# Altium PCB Jetson AGX Xavier Carrier Board.PcbDoc (part 1 of 4) (continued)
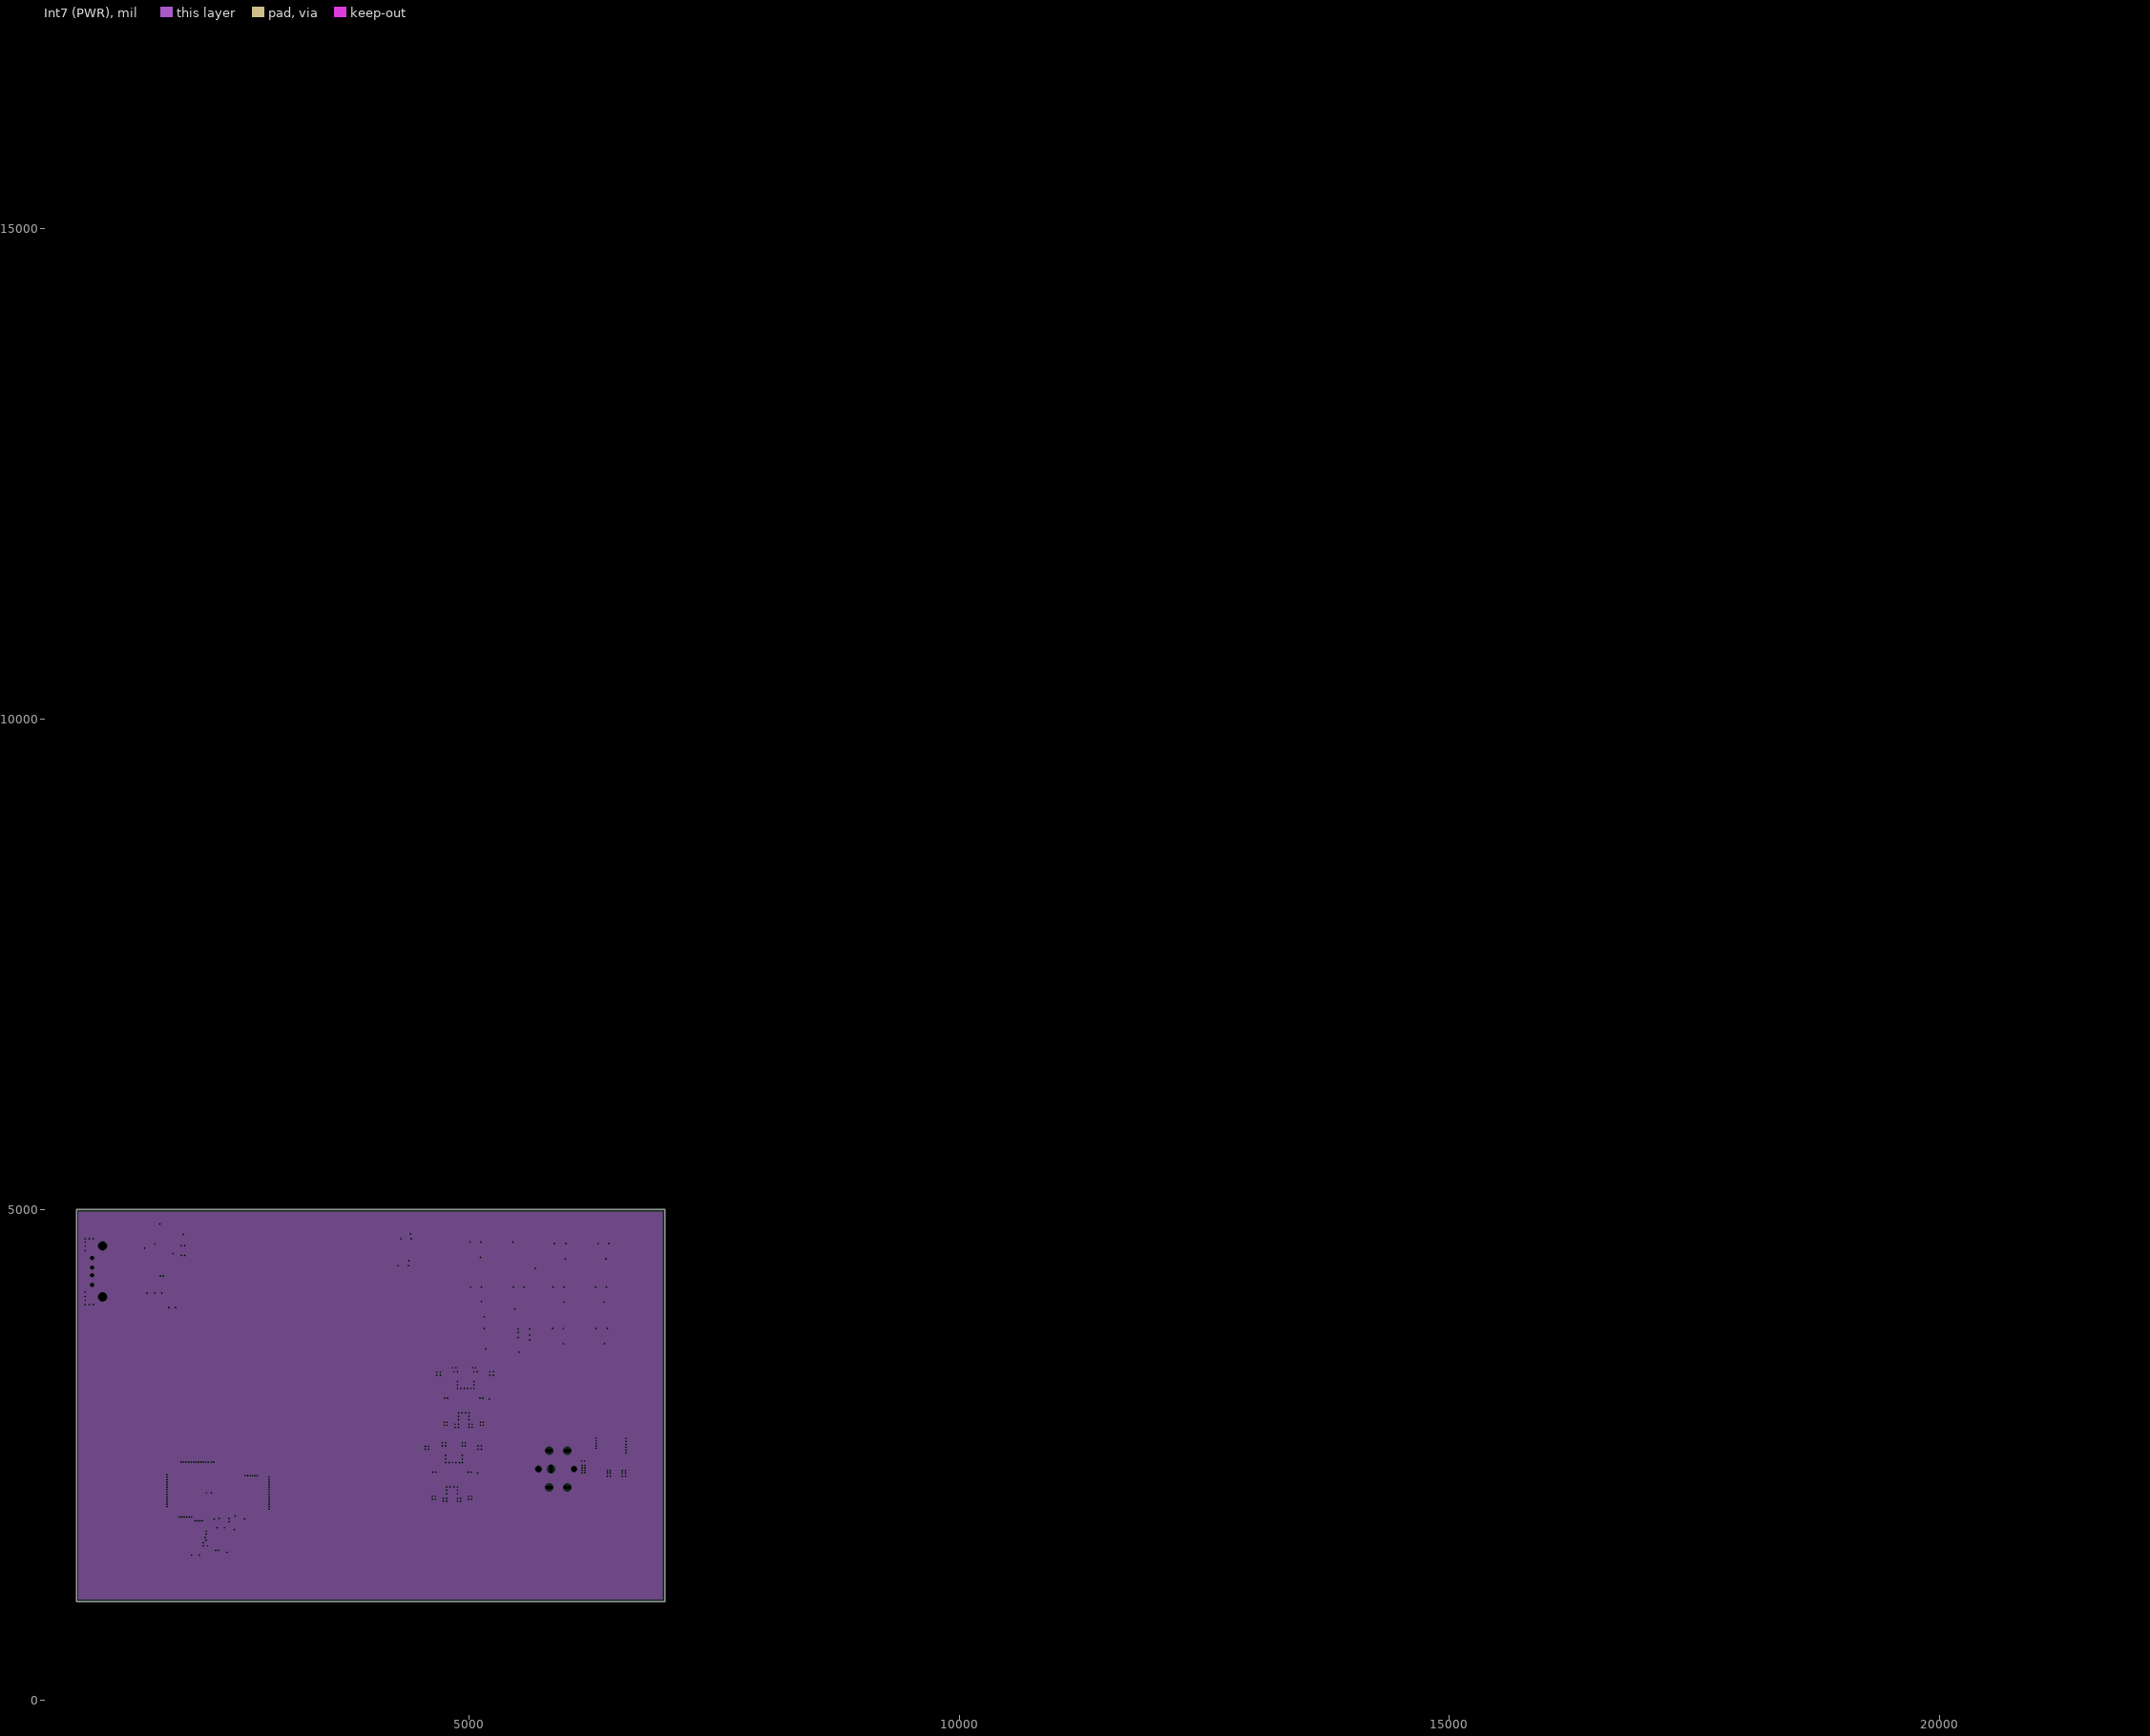
[diagram p8: Int7 (PWR), clearances drawn from the general rule]
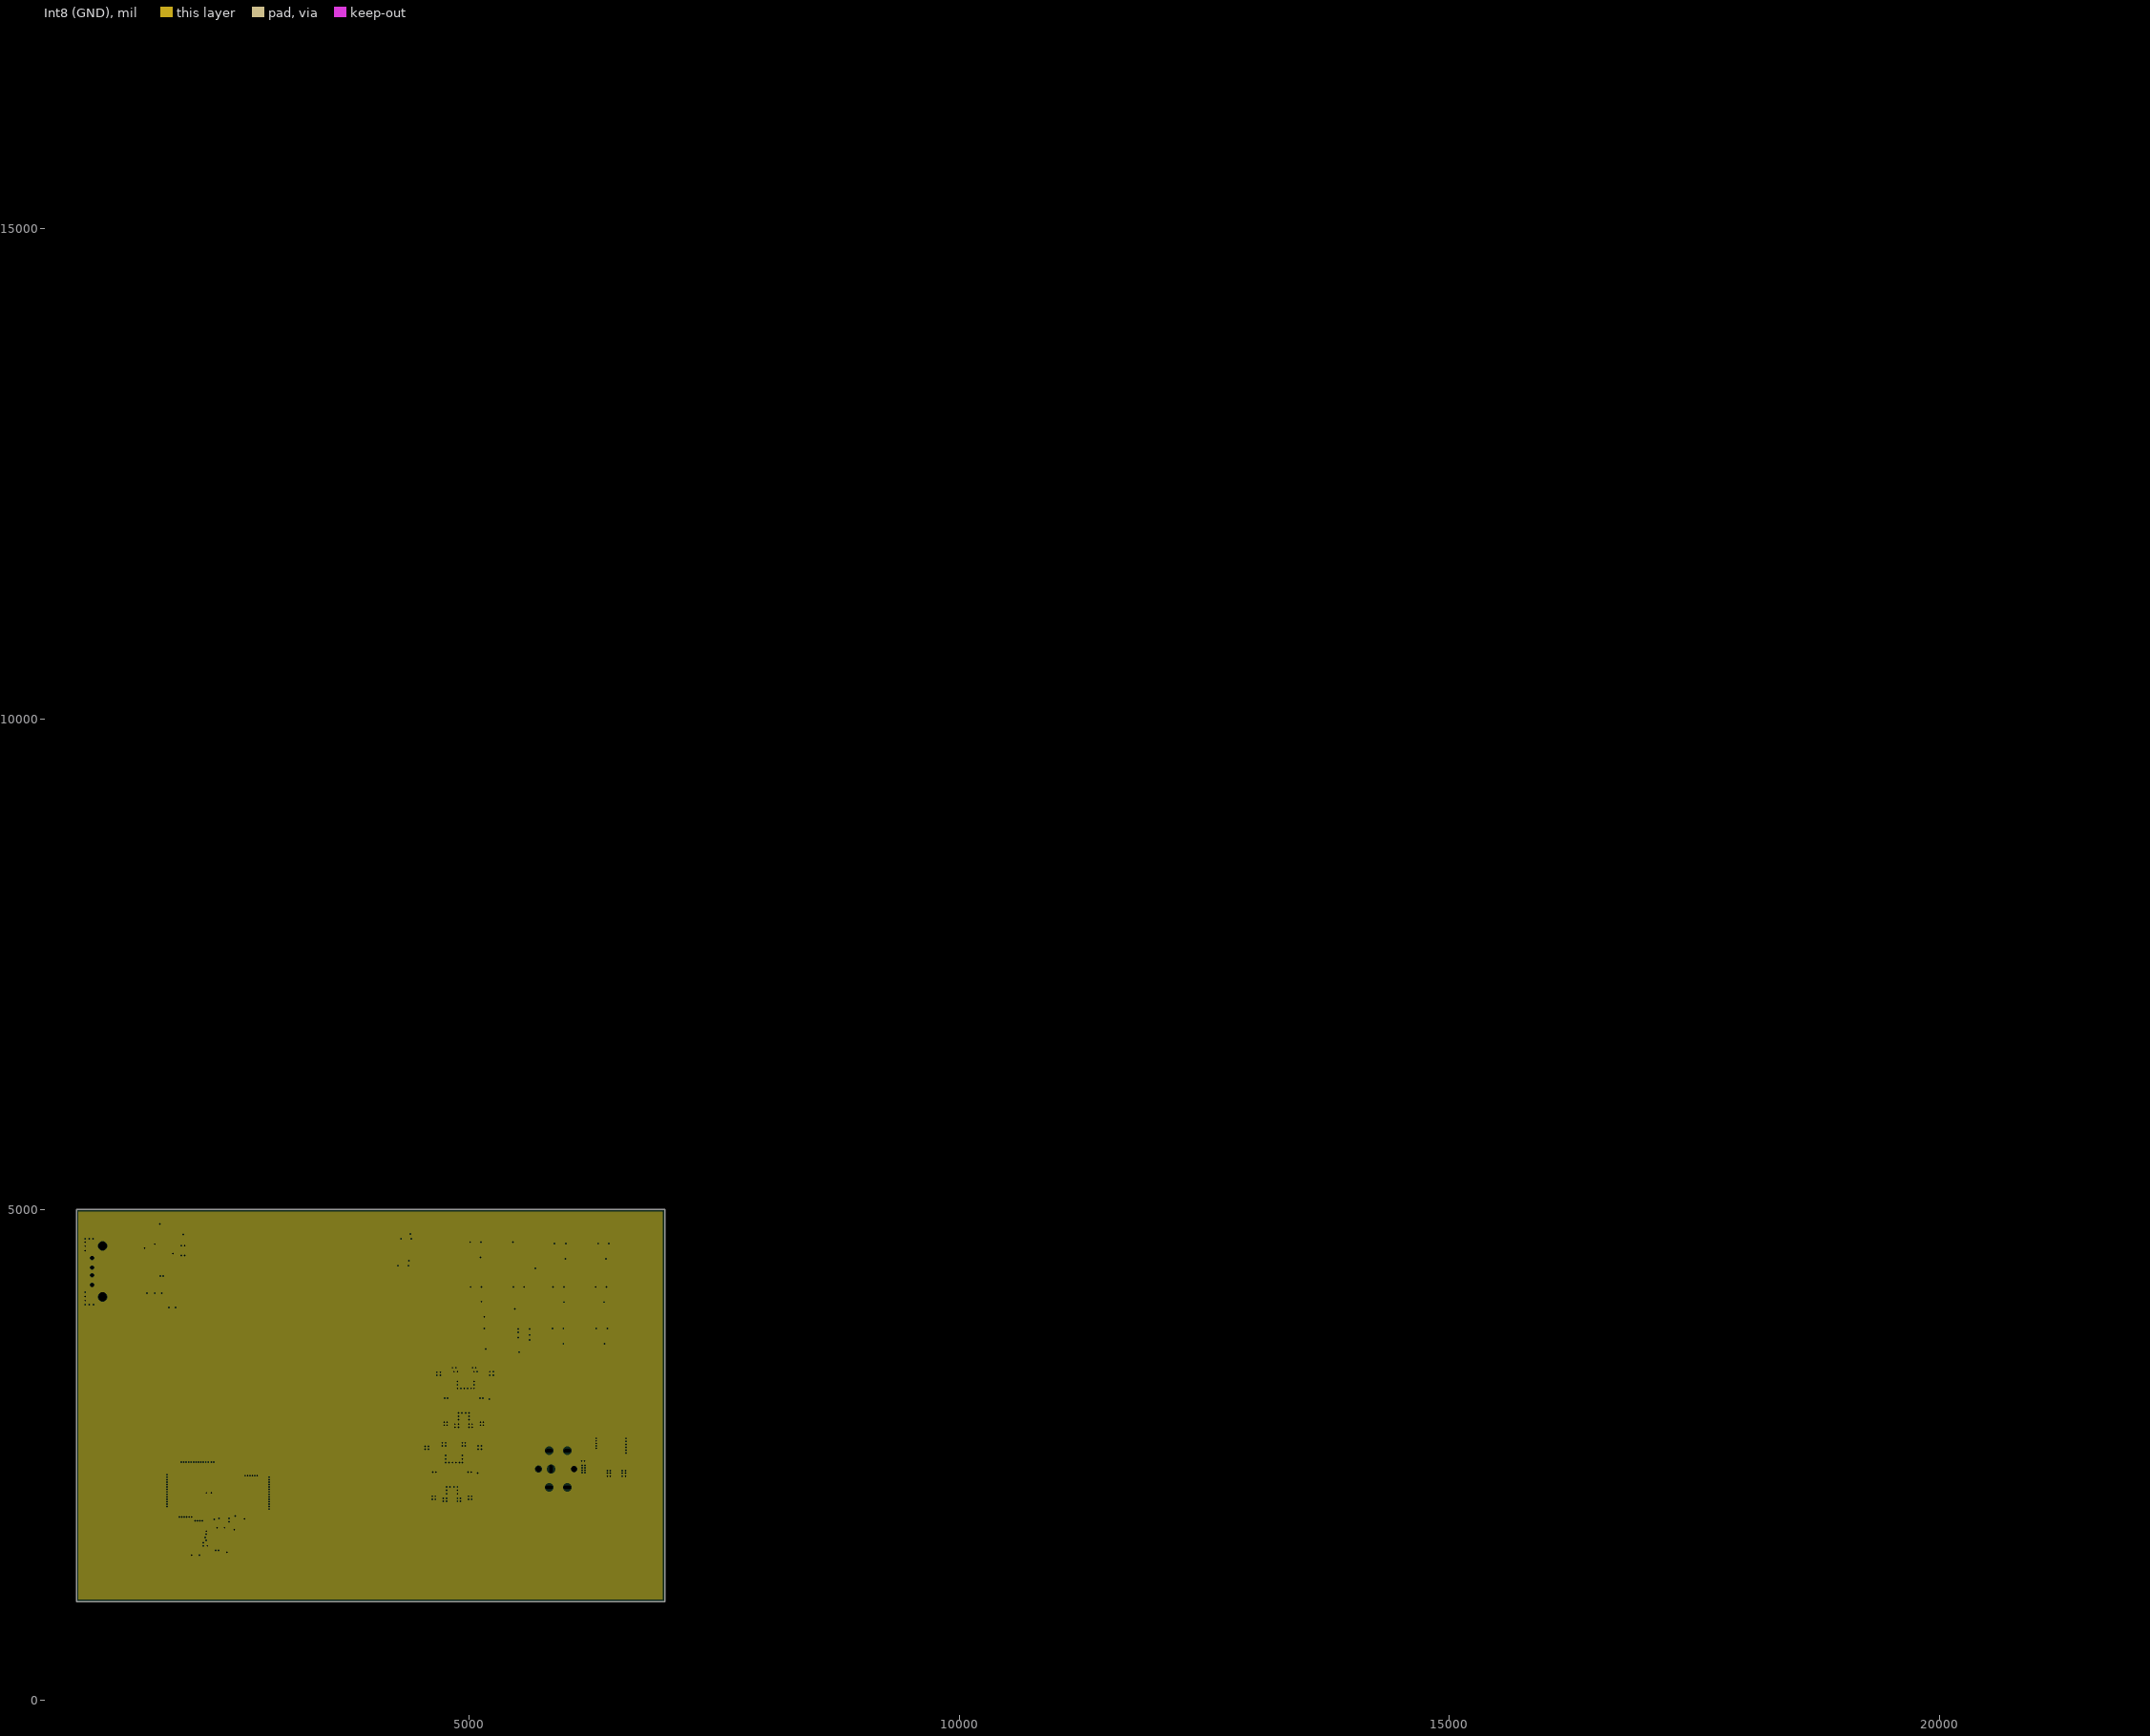
[diagram p9: Int8 (GND), clearances drawn from the general rule]

## Layer stack, top to bottom
Top Solder: solder mask 1, SM-001, Dk 4
Top Layer: signal copper 1.378
Dielectric 1: prepreg 2.8, PP-006, Dk 4.1
Dielectric 2: prepreg 2.8, PP-006, Dk 4.1
Int1 (GND): plane copper 1.378
Dielectric 3: core 5, Core-016, Dk 4.3
Int2 (PWR): plane copper 1.378
Dielectric 4: prepreg 2.8, PP-006, Dk 4.1
Dielectric 5: prepreg 2.8, PP-006, Dk 4.1
Int3 (Sign): signal copper 1.378
Dielectric 6: core 5, Core-016, Dk 4.3
Int4 (GND: plane copper 1.378
Dielectric 7: prepreg 2.8, PP-006, Dk 4.1
Dielectric 8: prepreg 2.8, PP-006, Dk 4.1
Int5 (GND): plane copper 1.378
Dielectric 9: core 5, Core-016, Dk 4.3
Int6 (Sign): signal copper 1.378
Dielectric 10: prepreg 2.8, PP-006, Dk 4.1
Dielectric 11: prepreg 2.8, PP-006, Dk 4.1
Int7 (PWR): plane copper 1.378
Dielectric 12: core 5, Core-016, Dk 4.3
Int8 (GND): plane copper 1.378
Dielectric 13: prepreg 2.8, PP-006, Dk 4.1
Dielectric 14: prepreg 2.8, PP-006, Dk 4.1
Bottom Layer: signal copper 1.378
Bottom Solder: solder mask 1, SM-001, Dk 4

## Board outline
1000,1000 7000,1000 7000,5000 1000,5000

## Design rules (kind name [scope] priority, off if disabled: settings)
BoardOutlineClearance [All] p1: gap=7.87 ignorepadtopadclearanceinfootprint=FALSE
Clearance [All] p1: gap=4 ignorepadtopadclearanceinfootprint=FALSE except(5: Arc-Via Track-Via SMDPad-Via THPad-Via Via-Via Via-Fill Via-Poly Via-Region Via-Text; 9.84: Arc-Hole Track-Hole SMDPad-Hole THPad-Hole Via-Hole Fill-Hole Poly-Hole Region-Hole Text-Hole)
ComponentClearance [All] p1: gap=4 collisioncheckmode=3 verticalgap=4 showdistances=TRUE
DiffPairsRouting [All] p1: maxlimit=4 minlimit=4 mostfreqgap=4 toplayer_minwidth=4 toplayer_maxwidth=71497.94 toplayer_prefwidth=4 midlayer2_minwidth=4 midlayer2_maxwidth=71497.94 midlayer2_prefwidth=4 midlayer3_minwidth=4 midlayer3_maxwidth=71497.94 midlayer3_prefwidth=4 bottomlayer_minwidth=4 bottomlayer_maxwidth=71497.94 bottomlayer_prefwidth=4 maxuncoupledlength=500
Height [All] p1: minheight=0 maxheight=71497.94 prefheight=500
HoleSize [All] p1: absolutevalues=TRUE maxlimit=248.03 minlimit=7.87 maxpercent=80.000 minpercent=20.000
HoleToHoleClearance [All] p1: gap=9.84 allowstackedmicrovias=FALSE
MinimumAnnularRing [All] p1: minimumring=3
MinimumSolderMaskSliver [All] p1: minsoldermaskwidth=0
PlaneClearance [All] p1: clearance=4
PlaneConnect PlaneConnectPowerPads [InPadClass('PowerPads')] p1: planeconnectstyle=Direct reliefexpansion=20 reliefentries=4 reliefconductorwidth=10 reliefairgap=10
PlaneConnect [All] p2: pad.planeconnectstyle=Relief pad.reliefexpansion=11.81 pad.reliefentries=4 pad.reliefconductorwidth=4 pad.reliefairgap=4 via.planeconnectstyle=Direct via.reliefexpansion=11.81 via.reliefentries=4 via.reliefconductorwidth=5 via.reliefairgap=5
PolygonConnect PolygonConnectPowerPads [All vs (InPadClass('PowerPads'))] p1: connectstyle=Direct reliefconductorwidth=10 reliefentries=4 polygonreliefangle="90 Angle" airgapwidth=10
PolygonConnect [All] p2: thpad.connectstyle=Relief thpad.reliefconductorwidth=4 thpad.reliefentries=4 thpad.polygonreliefangle="90 Angle" thpad.airgapwidth=4 smdpad.connectstyle=Relief smdpad.reliefconductorwidth=4 smdpad.reliefentries=4 smdpad.polygonreliefangle="90 Angle" smdpad.airgapwidth=4 via.connectstyle=Direct via.reliefconductorwidth=5 via.reliefentries=4 via.polygonreliefangle="90 Angle" via.airgapwidth=5
RoutingVias [All] p1: holewidth=7.87 width=17.72 viastyle="Through Hole" minholewidth=7.87 minwidth=17.72 maxholewidth=248.03 maxwidth=257.87
SilkToSilkClearance [All] p1: silktosilkclearance=0
SilkToSolderMaskClearance [IsPad] p1: minsilkscreentomaskgap=4 clearancetoexposedcopper=TRUE
SolderMaskExpansion [All] p1: expansion=2.95 istentingtop=FALSE
Width [All] p1: maxlimit=71497.94 minlimit=4 preferedwidth=4
20 further rules are at their usual default settings.

## Classes and differential pairs
component class "USB PORT STACKED": C158 C159 C160 C161 C162 C163 C164 C165 C166 C167 C168 C169 J3 R53 R54 R55 R56 U6 U7
differential pair class USB: NV_USB0.DATA NV_USB1.DATA NV_USB2.DATA NV_USB3.DATA
differential pair class UPHY: NV_UPHY0.RX NV_UPHY0.TX NV_UPHY0_TX NV_UPHY1.RX NV_UPHY1.TX NV_UPHY1_TX NV_UPHY2.RX NV_UPHY2.TX NV_UPHY2_TX NV_UPHY3.RX NV_UPHY3.TX NV_UPHY3_TX NV_UPHY4.RX NV_UPHY4.TX NV_UPHY4_TX NV_UPHY5.RX NV_UPHY5.TX NV_UPHY5_TX NV_UPHY6.RX NV_UPHY6.TX NV_UPHY6_TX NV_UPHY7.RX NV_UPHY7.TX NV_UPHY7_TX NV_UPHY8.RX NV_UPHY8.TX NV_UPHY8_TX NV_UPHY9.RX NV_UPHY9.TX NV_UPHY9_TX NV_UPHY10.RX NV_UPHY10.TX NV_UPHY10_TX NV_UPHY11.RX NV_UPHY11.TX NV_UPHY11_TX
differential pair class UPHY_CLK: NV_UPHY_CLK1.REFCLK NV_UPHY_CLK2.REFCLK
differential pair class UPHY_CLK2: NV_UPHY_CLK2.REFCLK
differential pair class UPHY_CLK1: NV_UPHY_CLK1.REFCLK
differential pair class UPHY11: NV_UPHY11.RX NV_UPHY11.TX NV_UPHY11_TX
differential pair class UPHY10: NV_UPHY10.RX NV_UPHY10.TX NV_UPHY10_TX
differential pair class UPHY9: NV_UPHY9.RX NV_UPHY9.TX NV_UPHY9_TX
differential pair class UPHY8: NV_UPHY8.RX NV_UPHY8.TX NV_UPHY8_TX
differential pair class UPHY7: NV_UPHY7.RX NV_UPHY7.TX NV_UPHY7_TX
differential pair class UPHY6: NV_UPHY6.RX NV_UPHY6.TX NV_UPHY6_TX
differential pair class UPHY5: NV_UPHY5.RX NV_UPHY5.TX NV_UPHY5_TX
differential pair class UPHY4: NV_UPHY4.RX NV_UPHY4.TX NV_UPHY4_TX
differential pair class UPHY3: NV_UPHY3.RX NV_UPHY3.TX NV_UPHY3_TX
differential pair class UPHY2: NV_UPHY2.RX NV_UPHY2.TX NV_UPHY2_TX
differential pair class UPHY1: NV_UPHY1.RX NV_UPHY1.TX NV_UPHY1_TX
differential pair class UPHY0: NV_UPHY0.RX NV_UPHY0.TX NV_UPHY0_TX
differential pair class PCIE: NV_PCIE_CTRL0.CLK NV_PCIE_CTRL1.CLK NV_PCIE_CTRL2.CLK NV_PCIE_CTRL3.CLK NV_PCIE_CTRL4.CLK NV_PCIE_CTRL5.CLK
differential pair class PCIE_CLK: NV_PCIE_CTRL0.CLK NV_PCIE_CTRL1.CLK NV_PCIE_CTRL2.CLK NV_PCIE_CTRL3.CLK NV_PCIE_CTRL4.CLK NV_PCIE_CTRL5.CLK
differential pair class PCIE_CLK5: NV_PCIE_CTRL5.CLK
differential pair class PCIE_CLK4: NV_PCIE_CTRL4.CLK
differential pair class PCIE_CLK3: NV_PCIE_CTRL3.CLK
differential pair class PCIE_CLK2: NV_PCIE_CTRL2.CLK
differential pair class PCIE_CLK1: NV_PCIE_CTRL1.CLK
differential pair class PCIE_CLK0: NV_PCIE_CTRL0.CLK
differential pair class NVHS: NV0HS0.RX NV0HS0.TX NV0HS0_TX NV0HS1.RX NV0HS1.TX NV0HS1_TX NV0HS2.RX NV0HS2.TX NV0HS2_TX NV0HS3.RX NV0HS3.TX NV0HS3_TX NV0HS4.RX NV0HS4.TX NV0HS4_TX NV0HS5.RX NV0HS5.TX NV0HS5_TX NV0HS6.RX NV0HS6.TX NV0HS6_TX NV0HS7.RX NV0HS7.TX NV0HS7_TX NV0HS_CLK0.REFCLK NV0HS_CLK1.REFCLK NV1HS0.RX NV1HS0.TX NV1HS0_TX NV1HS1.RX NV1HS1.TX NV1HS1_TX NV1HS2.RX NV1HS2.TX NV1HS2_TX NV1HS3.RX NV1HS3.TX NV1HS3_TX NV1HS4.RX NV1HS4.TX NV1HS4_TX NV1HS5.RX NV1HS5.TX NV1HS5_TX NV1HS6.RX NV1HS6.TX NV1HS6_TX NV1HS7.RX NV1HS7.TX NV1HS7_TX NV1HS_CLK0.REFCLK NV1HS_CLK1.REFCLK
differential pair class NVHS_CLK: NV0HS_CLK0.REFCLK NV0HS_CLK1.REFCLK NV1HS_CLK0.REFCLK NV1HS_CLK1.REFCLK
differential pair class NV_USB: NV_USB0.DATA NV_USB1.DATA NV_USB2.DATA NV_USB3.DATA
differential pair class NV_USB3: NV_USB3.DATA
differential pair class NV_USB2: NV_USB2.DATA
differential pair class NV_USB1: NV_USB1.DATA
differential pair class NV_USB0: NV_USB0.DATA
differential pair class NV_DP2: NV_DP2.AUX NV_DP2.TX0 NV_DP2.TX1 NV_DP2.TX2 NV_DP2.TX3
differential pair class NV_DP1: NV_DP1.AUX NV_DP1.TX0 NV_DP1.TX1 NV_DP1.TX2 NV_DP1.TX3
differential pair class NV_DP0: NV_DP0.AUX NV_DP0.TX0 NV_DP0.TX1 NV_DP0.TX2 NV_DP0.TX3
differential pair class NV_DISPLAY: NV_DP0.AUX NV_DP0.TX0 NV_DP0.TX1 NV_DP0.TX2 NV_DP0.TX3 NV_DP1.AUX NV_DP1.TX0 NV_DP1.TX1 NV_DP1.TX2 NV_DP1.TX3 NV_DP2.AUX NV_DP2.TX0 NV_DP2.TX1 NV_DP2.TX2 NV_DP2.TX3
differential pair class NV_CSI: NV_CSI0.CLK NV_CSI0.DATA0 NV_CSI0.DATA1 NV_CSI1.CLK NV_CSI1.DATA0 NV_CSI1.DATA1 NV_CSI2.CLK NV_CSI2.DATA0 NV_CSI2.DATA1 NV_CSI3.CLK NV_CSI3.DATA0 NV_CSI3.DATA1 NV_CSI4.CLK NV_CSI4.DATA0 NV_CSI4.DATA1 NV_CSI5.CLK NV_CSI5.DATA0 NV_CSI5.DATA1 NV_CSI6.CLK NV_CSI6.DATA0 NV_CSI6.DATA1 NV_CSI7.CLK NV_CSI7.DATA0 NV_CSI7.DATA1
differential pair class NV_CSI7: NV_CSI7.CLK NV_CSI7.DATA0 NV_CSI7.DATA1
differential pair class NV_CSI6: NV_CSI6.CLK NV_CSI6.DATA0 NV_CSI6.DATA1
differential pair class NV_CSI5: NV_CSI5.CLK NV_CSI5.DATA0 NV_CSI5.DATA1
differential pair class NV_CSI4: NV_CSI4.CLK NV_CSI4.DATA0 NV_CSI4.DATA1
differential pair class NV_CSI3: NV_CSI3.CLK NV_CSI3.DATA0 NV_CSI3.DATA1
differential pair class NV_CSI2: NV_CSI2.CLK NV_CSI2.DATA0 NV_CSI2.DATA1
differential pair class NV_CSI1: NV_CSI1.CLK NV_CSI1.DATA0 NV_CSI1.DATA1
differential pair class NV_CSI0: NV_CSI0.CLK NV_CSI0.DATA0 NV_CSI0.DATA1
differential pair class NV1HS_CLK1: NV1HS_CLK1.REFCLK
differential pair class NV1HS_CLK0: NV1HS_CLK0.REFCLK
differential pair class NV1HS7: NV1HS7.RX NV1HS7.TX NV1HS7_TX
differential pair class NV1HS6: NV1HS6.RX NV1HS6.TX NV1HS6_TX
differential pair class NV1HS5: NV1HS5.RX NV1HS5.TX NV1HS5_TX
differential pair class NV1HS4: NV1HS4.RX NV1HS4.TX NV1HS4_TX
differential pair class NV1HS3: NV1HS3.RX NV1HS3.TX NV1HS3_TX
differential pair class NV1HS2: NV1HS2.RX NV1HS2.TX NV1HS2_TX
differential pair class NV1HS1: NV1HS1.RX NV1HS1.TX NV1HS1_TX
differential pair class NV1HS0: NV1HS0.RX NV1HS0.TX NV1HS0_TX
differential pair class NV0HS_CLK1: NV0HS_CLK1.REFCLK
differential pair class NV0HS_CLK0: NV0HS_CLK0.REFCLK
differential pair class NV0HS7: NV0HS7.RX NV0HS7.TX NV0HS7_TX
differential pair class NV0HS6: NV0HS6.RX NV0HS6.TX NV0HS6_TX
differential pair class NV0HS5: NV0HS5.RX NV0HS5.TX NV0HS5_TX
differential pair class NV0HS4: NV0HS4.RX NV0HS4.TX NV0HS4_TX
differential pair class NV0HS3: NV0HS3.RX NV0HS3.TX NV0HS3_TX
differential pair class NV0HS2: NV0HS2.RX NV0HS2.TX NV0HS2_TX
differential pair class NV0HS1: NV0HS1.RX NV0HS1.TX NV0HS1_TX
differential pair class NV0HS0: NV0HS0.RX NV0HS0.TX NV0HS0_TX
differential pair class DP: NV_DP0.AUX NV_DP0.TX0 NV_DP0.TX1 NV_DP0.TX2 NV_DP0.TX3 NV_DP1.AUX NV_DP1.TX0 NV_DP1.TX1 NV_DP1.TX2 NV_DP1.TX3 NV_DP2.AUX NV_DP2.TX0 NV_DP2.TX1 NV_DP2.TX2 NV_DP2.TX3
differential pair class CSI: NV_CSI0.CLK NV_CSI0.DATA0 NV_CSI0.DATA1 NV_CSI1.CLK NV_CSI1.DATA0 NV_CSI1.DATA1 NV_CSI2.CLK NV_CSI2.DATA0 NV_CSI2.DATA1 NV_CSI3.CLK NV_CSI3.DATA0 NV_CSI3.DATA1 NV_CSI4.CLK NV_CSI4.DATA0 NV_CSI4.DATA1 NV_CSI5.CLK NV_CSI5.DATA0 NV_CSI5.DATA1 NV_CSI6.CLK NV_CSI6.DATA0 NV_CSI6.DATA1 NV_CSI7.CLK NV_CSI7.DATA0 NV_CSI7.DATA1
component class USB: C136 C137 C138 C139 C140 C141 C142 C143 C144 C145 C146 C147 C148 C149 C150 C151 C152 C153 C154 C155 C156 C157 R47 R48 R49 R50 R51 R52 U5 Y1
component class "Debug UART": C265 C266 C267 C268 C269 C270 C271 C272 D15 D16 J10 R183 R184 R185 R186 R187 U26 U27 U28
component class System: C129 C130 C131 C132 C133 C134 C135 D8 D9 D10 D11 J2 Q8 Q9 R40 R41 R42 R43 R44 R45 R46 S1 S2 S3 SW1 SW2 SW3
component class "RGMII ETHERNET": C211 C212 C213 C214 C215 C216 C217 C218 C219 C220 C221 C222 C223 C224 C225 C226 C227 C228 C229 C230 C231 C232 J6 Q15 R94 R95 R96 R97 R98 R99 R100 R101 R102 R103 R104 R105 R106 R107 R108 R109 R110 R111 R112 R113 R114 R115 R116 R117 R118 R119 R120 R121 R122 R123 R124 R125 R126 R127 R128 R129 R130 R131 U11 Y3
component class "POWER CONNECTOR": C1 D1 D2 J1 Q1 R1 R2 R3 R4
component class "PCIe ETHERNET": C183 C184 C185 C186 C187 C188 C189 C190 C191 C192 C193 C194 C195 C196 C197 C198 C199 C200 C201 C202 C203 C204 C205 C206 C207 C208 C209 C210 J5 L5 R78 R79 R80 R81 R82 R83 R84 R85 R86 R87 R88 R89 R90 R91 R92 R93 U9 U10 Y2
component class "M.2 M-KEY": C246 C247 C248 D14 J8 M1 R140 R141 R142 R143 R144 R145 R146 R147 R148 R149 R150 R151 R152 R153 R154 R155 R156 R157 R158 R159 R160 R161 R162 R163 R164 R165 R166
component class "M.2 E-KEY": C233 C234 C235 C236 C237 C238 C239 C240 C241 C242 C243 C244 C245 J7 R132 R133 R134 R135 R136 R137 R138 R139 U12 U13 U14 U15 U16
component class JTAG: J11 R188 R189 R190 R191 R192 R193 R194 R195 R196 R197
component class "JETSON AGX UPHY": C105 C106 C107 C108 C109 C110 C111 C112 C113 C114 C115 C116 C117 C118 C119 C120 C121 C122 C123 C124 C125 C126 C127 C128 P1
component class "JETSON AGX SYS-PWR-GND": C93 C94 C95 C96 C97 C98 C99 C100 C101 C102 C103 C104 D7 H1 H2 H3 H4 P2 R33
component class "JETSON AGX NVHS": C61 C62 C63 C64 C65 C66 C67 C68 C69 C70 C71 C72 C73 C74 C75 C76 C77 C78 C79 C80 C81 C82 C83 C84 C85 C86 C87 C88 C89 C90 C91 C92
component class "JETSON AGX DP-HDMI-USB-GBE": R34 R35 R36 R37 R38 R39
component class HDMI: C170 C171 C172 C173 C174 C175 C176 C177 C178 C179 C180 C181 C182 D12 D13 FL1 FL2 FL3 FL4 FL5 J4 Q10 Q11 Q12 Q13 Q14 R57 R58 R59 R60 R61 R62 R63 R64 R65 R66 R67 R68 R69 R70 R71 R72 R73 R74 R75 R76 R77 U8
component class "GPIO AND SERIAL": C249 C250 C251 C252 C253 C254 C255 C256 C257 C258 C259 C260 C261 C262 J9 R167 R168 R169 R170 R171 R172 R173 R174 R175 R176 R177 R178 R179 R180 U17 U18 U19 U20 U21 U22 U23
component class CAN: C263 C264 R181 R182 U24 U25
component class "BUCK CONVERTERS": C2 C3 C4 C5 C6 C7 C8 C9 C10 C11 C12 C13 C14 C15 C16 C17 C18 C19 C20 C21 C22 C23 C24 C25 C26 C27 C28 C29 C30 C31 C32 C33 C34 C35 C36 C37 C38 C39 C40 C41 C42 C43 C44 C45 C46 C47 C48 C49 C50 C51 C52 C53 C54 C55 C56 C57 C58 C59 C60 D3 D4 D5 D6 L1 L2 L3 L4 Q2 Q3 Q4 Q5 Q6 Q7 R5 R6 R7 R8 R9 R10 R11 R12 R13 R14 R15 R16 R17 R18 R19 R20 R21 R22 R23 R24 R25 R26 R27 R28 R29 R30 R31 R32 U1 U2 U3 U4
differential pair USB3UP.TX: +USB3UP.TX_P -USB3UP.TX_N
differential pair USB3UP.RX: +USB3UP.RX_P -USB3UP.RX_N
differential pair USB3DN4.TX: +USB3DN4.TX_P -USB3DN4.TX_N
differential pair USB3DN4.RX: +USB3DN4.RX_P -USB3DN4.RX_N
differential pair USB3DN3.TX: +USB3DN3.TX_P -USB3DN3.TX_N
differential pair USB3DN3.RX: +USB3DN3.RX_P -USB3DN3.RX_N
differential pair USB3DN2.TX: +USB3DN2.TX_P -USB3DN2.TX_N
differential pair USB3DN2.RX: +USB3DN2.RX_P -USB3DN2.RX_N
differential pair USB3DN1.TX: +USB3DN1.TX_P -USB3DN1.TX_N
differential pair USB3DN1.RX: +USB3DN1.RX_P -USB3DN1.RX_N
differential pair USB2UP.DATA: +USB2UP.DATA_P -USB2UP.DATA_N
differential pair USB2DN4.DATA: +USB2DN4.DATA_P -USB2DN4.DATA_N
differential pair USB2DN3.DATA: +USB2DN3.DATA_P -USB2DN3.DATA_N
differential pair USB2DN2.DATA: +USB2DN2.DATA_P -USB2DN2.DATA_N
differential pair USB2DN1.DATA: +USB2DN1.DATA_P -USB2DN1.DATA_N
differential pair USB3_2.TX: +USB3_2.TX_P -USB3_2.TX_N
differential pair USB3_2.RX: +USB3_2.RX_P -USB3_2.RX_N
differential pair USB3_1.TX: +USB3_1.TX_P -USB3_1.TX_N
differential pair USB3_1.RX: +USB3_1.RX_P -USB3_1.RX_N
differential pair USB2_2.DATA: +USB2_2.DATA_P -USB2_2.DATA_N
differential pair USB2_1.DATA: +USB2_1.DATA_P -USB2_1.DATA_N
differential pair USBD: +USBD_P -USBD_N
differential pair RGMII_TRD: +RGMII_TRD_P -RGMII_TRD_N
differential pair RGMII_TRC: +RGMII_TRC_P -RGMII_TRC_N
differential pair RGMII_TRB: +RGMII_TRB_P -RGMII_TRB_N
differential pair RGMII_TRA: +RGMII_TRA_P -RGMII_TRA_N
differential pair PCIE_TRD: +PCIE_TRD_P -PCIE_TRD_N
differential pair PCIE_TRC: +PCIE_TRC_P -PCIE_TRC_N
differential pair PCIE_TRB: +PCIE_TRB_P -PCIE_TRB_N
differential pair PCIE_TRA: +PCIE_TRA_P -PCIE_TRA_N
differential pair NV_USB3.DATA: +NV_USB3.DATA_P -NV_USB3.DATA_N
differential pair NV_USB2.DATA: +NV_USB2.DATA_P -NV_USB2.DATA_N
differential pair NV_USB1.DATA: +NV_USB1.DATA_P -NV_USB1.DATA_N
differential pair NV_USB0.DATA: +NV_USB0.DATA_P -NV_USB0.DATA_N
differential pair NV_UPHY_CLK2.REFCLK: +NV_UPHY_CLK2.REFCLK_P -NV_UPHY_CLK2.REFCLK_N
differential pair NV_UPHY_CLK1.REFCLK: +NV_UPHY_CLK1.REFCLK_P -NV_UPHY_CLK1.REFCLK_N
differential pair NV_UPHY11_TX: +NV_UPHY11_TX_P -NV_UPHY11_TX_N
differential pair NV_UPHY11.TX: +NV_UPHY11.TX_P -NV_UPHY11.TX_N
differential pair NV_UPHY11.RX: +NV_UPHY11.RX_P -NV_UPHY11.RX_N
differential pair NV_UPHY10_TX: +NV_UPHY10_TX_P -NV_UPHY10_TX_N
differential pair NV_UPHY10.TX: +NV_UPHY10.TX_P -NV_UPHY10.TX_N
differential pair NV_UPHY10.RX: +NV_UPHY10.RX_P -NV_UPHY10.RX_N
differential pair NV_UPHY9_TX: +NV_UPHY9_TX_P -NV_UPHY9_TX_N
differential pair NV_UPHY9.TX: +NV_UPHY9.TX_P -NV_UPHY9.TX_N
differential pair NV_UPHY9.RX: +NV_UPHY9.RX_P -NV_UPHY9.RX_N
differential pair NV_UPHY8_TX: +NV_UPHY8_TX_P -NV_UPHY8_TX_N
differential pair NV_UPHY8.TX: +NV_UPHY8.TX_P -NV_UPHY8.TX_N
differential pair NV_UPHY8.RX: +NV_UPHY8.RX_P -NV_UPHY8.RX_N
differential pair NV_UPHY7_TX: +NV_UPHY7_TX_P -NV_UPHY7_TX_N
differential pair NV_UPHY7.TX: +NV_UPHY7.TX_P -NV_UPHY7.TX_N
differential pair NV_UPHY7.RX: +NV_UPHY7.RX_P -NV_UPHY7.RX_N
differential pair NV_UPHY6_TX: +NV_UPHY6_TX_P -NV_UPHY6_TX_N
differential pair NV_UPHY6.TX: +NV_UPHY6.TX_P -NV_UPHY6.TX_N
differential pair NV_UPHY6.RX: +NV_UPHY6.RX_P -NV_UPHY6.RX_N
differential pair NV_UPHY5_TX: +NV_UPHY5_TX_P -NV_UPHY5_TX_N
differential pair NV_UPHY5.TX: +NV_UPHY5.TX_P -NV_UPHY5.TX_N
differential pair NV_UPHY5.RX: +NV_UPHY5.RX_P -NV_UPHY5.RX_N
differential pair NV_UPHY4_TX: +NV_UPHY4_TX_P -NV_UPHY4_TX_N
differential pair NV_UPHY4.TX: +NV_UPHY4.TX_P -NV_UPHY4.TX_N
differential pair NV_UPHY4.RX: +NV_UPHY4.RX_P -NV_UPHY4.RX_N
differential pair NV_UPHY3_TX: +NV_UPHY3_TX_P -NV_UPHY3_TX_N
differential pair NV_UPHY3.TX: +NV_UPHY3.TX_P -NV_UPHY3.TX_N
differential pair NV_UPHY3.RX: +NV_UPHY3.RX_P -NV_UPHY3.RX_N
differential pair NV_UPHY2_TX: +NV_UPHY2_TX_P -NV_UPHY2_TX_N
differential pair NV_UPHY2.TX: +NV_UPHY2.TX_P -NV_UPHY2.TX_N
differential pair NV_UPHY2.RX: +NV_UPHY2.RX_P -NV_UPHY2.RX_N
differential pair NV_UPHY1_TX: +NV_UPHY1_TX_P -NV_UPHY1_TX_N
differential pair NV_UPHY1.TX: +NV_UPHY1.TX_P -NV_UPHY1.TX_N
differential pair NV_UPHY1.RX: +NV_UPHY1.RX_P -NV_UPHY1.RX_N
differential pair NV_UPHY0_TX: +NV_UPHY0_TX_P -NV_UPHY0_TX_N
differential pair NV_UPHY0.TX: +NV_UPHY0.TX_P -NV_UPHY0.TX_N
differential pair NV_UPHY0.RX: +NV_UPHY0.RX_P -NV_UPHY0.RX_N
differential pair NV_PCIE_CTRL5.CLK: +NV_PCIE_CTRL5.CLK_P -NV_PCIE_CTRL5.CLK_N